# Altium PCB ANGE.PcbDoc
Units mil, origin at the board's own origin, x right, y up, seen from the top; angles counter-clockwise.
Board outline 10269.03 x 6377.03 mil, 2 copper layers (Component Side, Bottom Layer), stack 12.8 mil thick; 121 components, 162 nets, 532 pads, 0 vias.
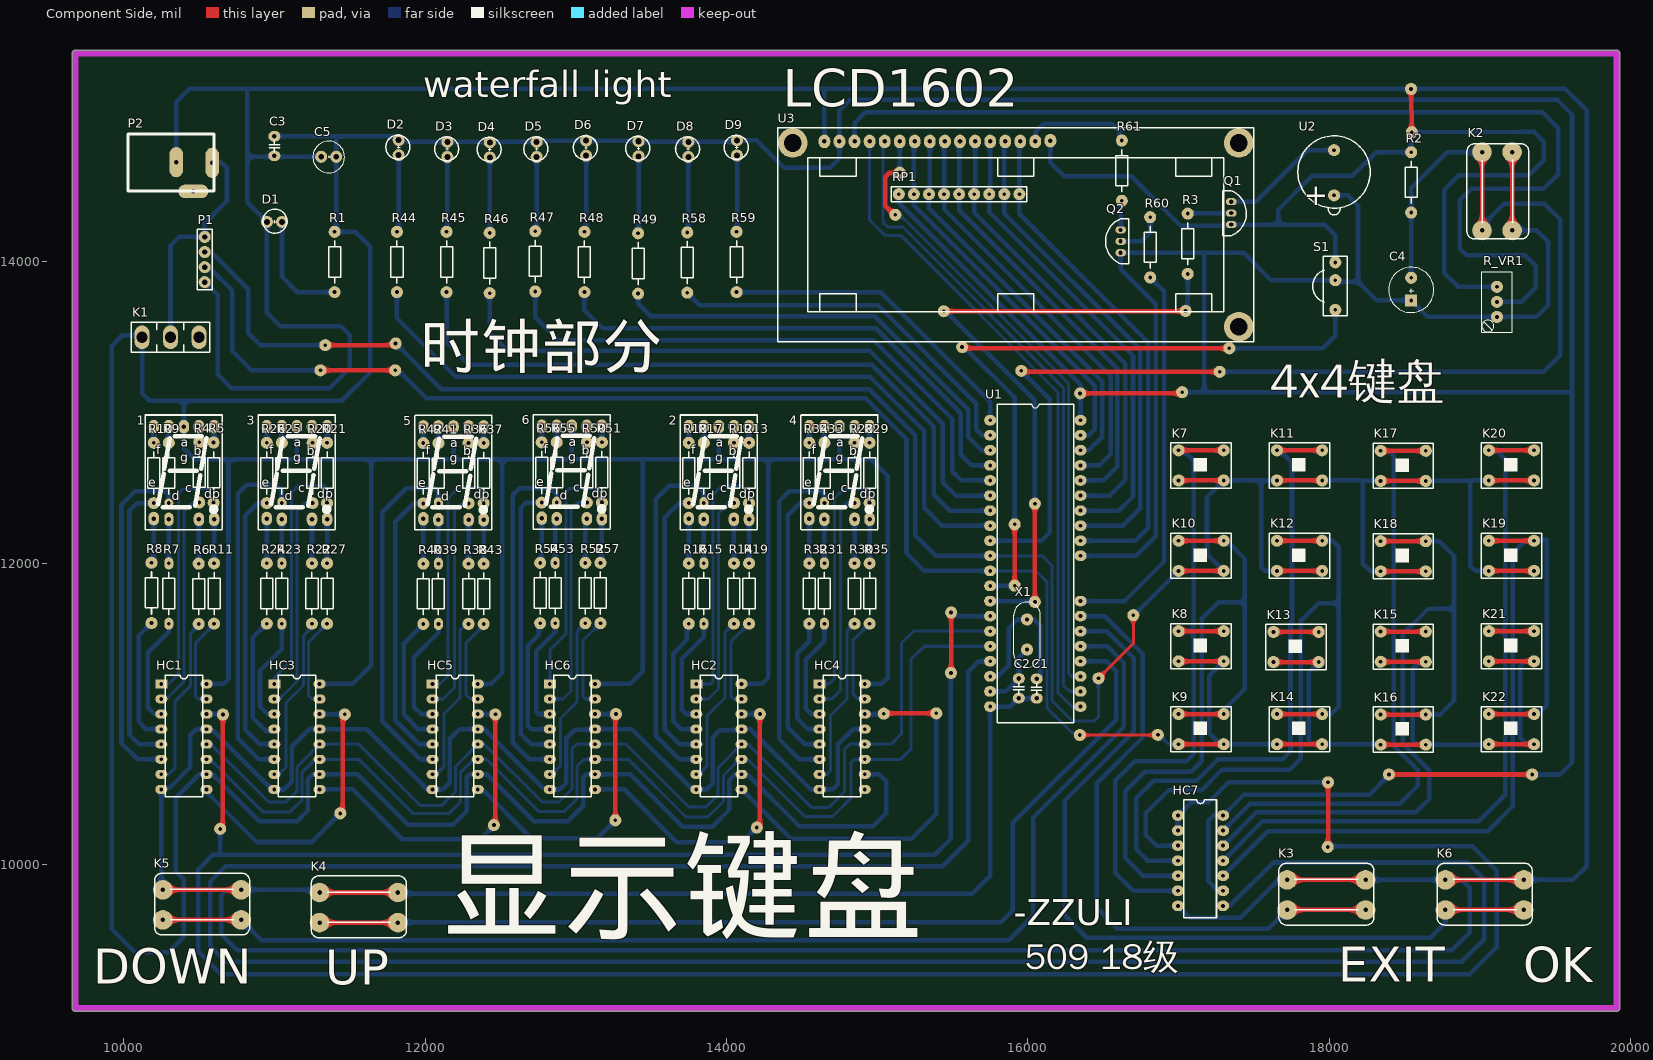
[diagram p0: Component Side view]
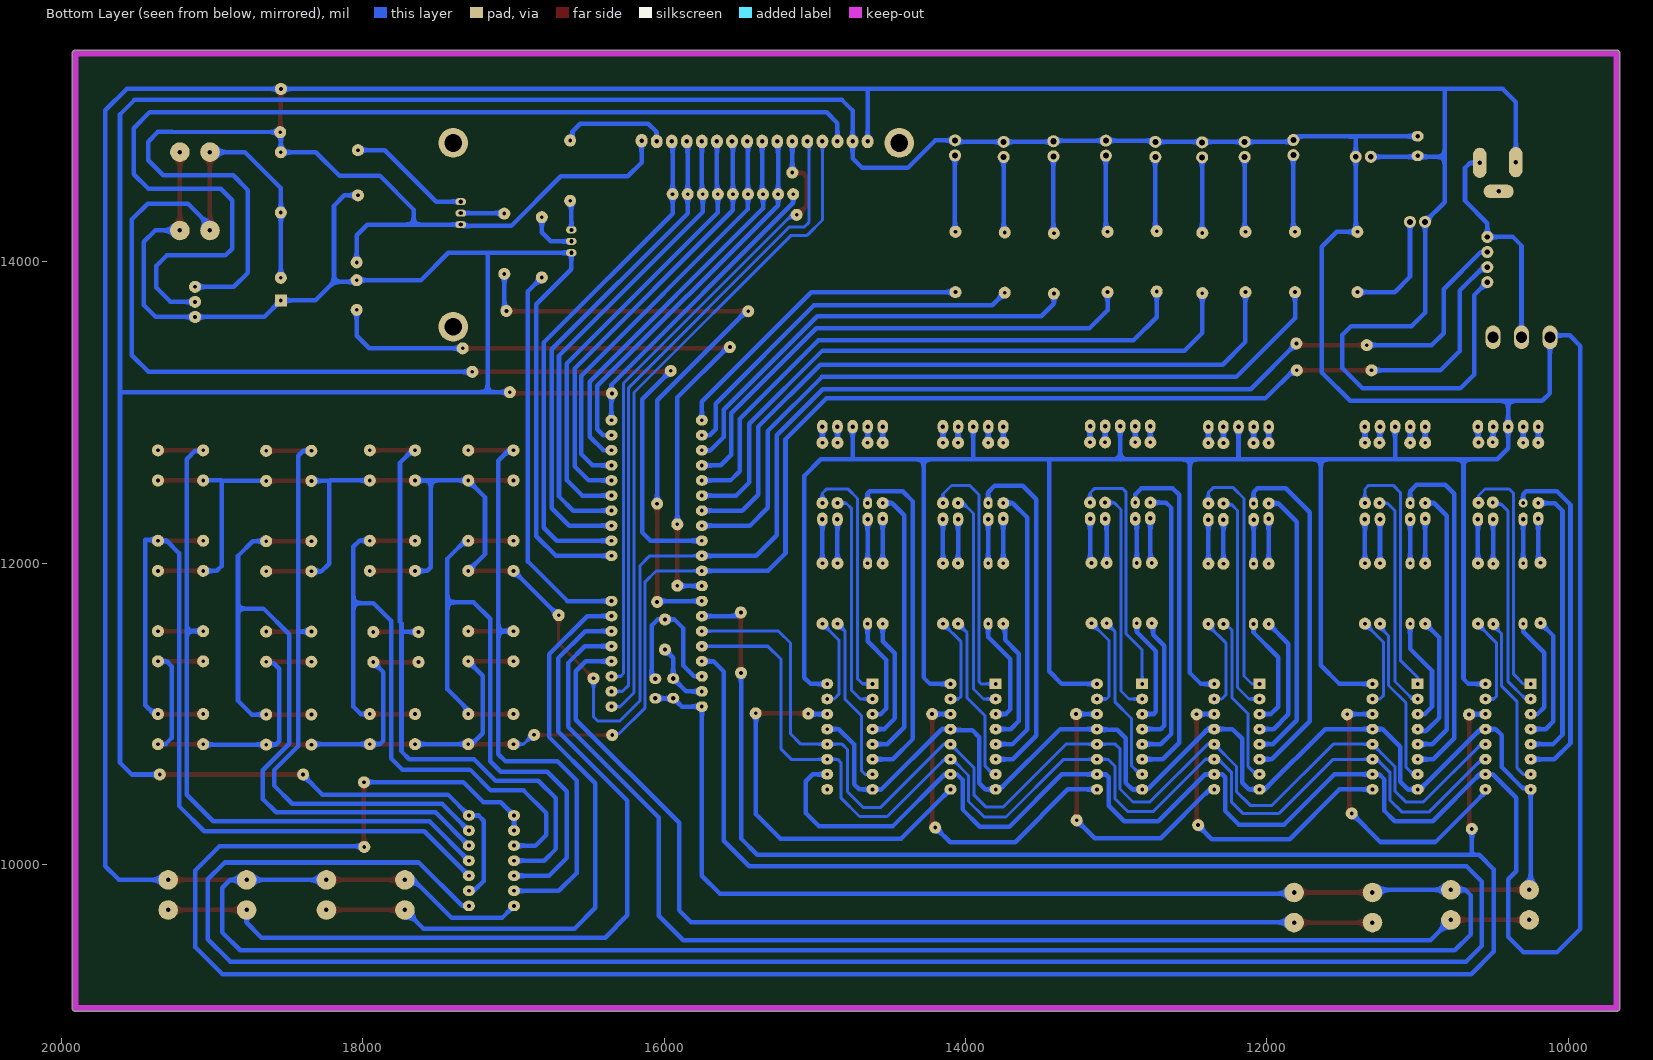
[diagram p1: Bottom Layer view, seen from below]
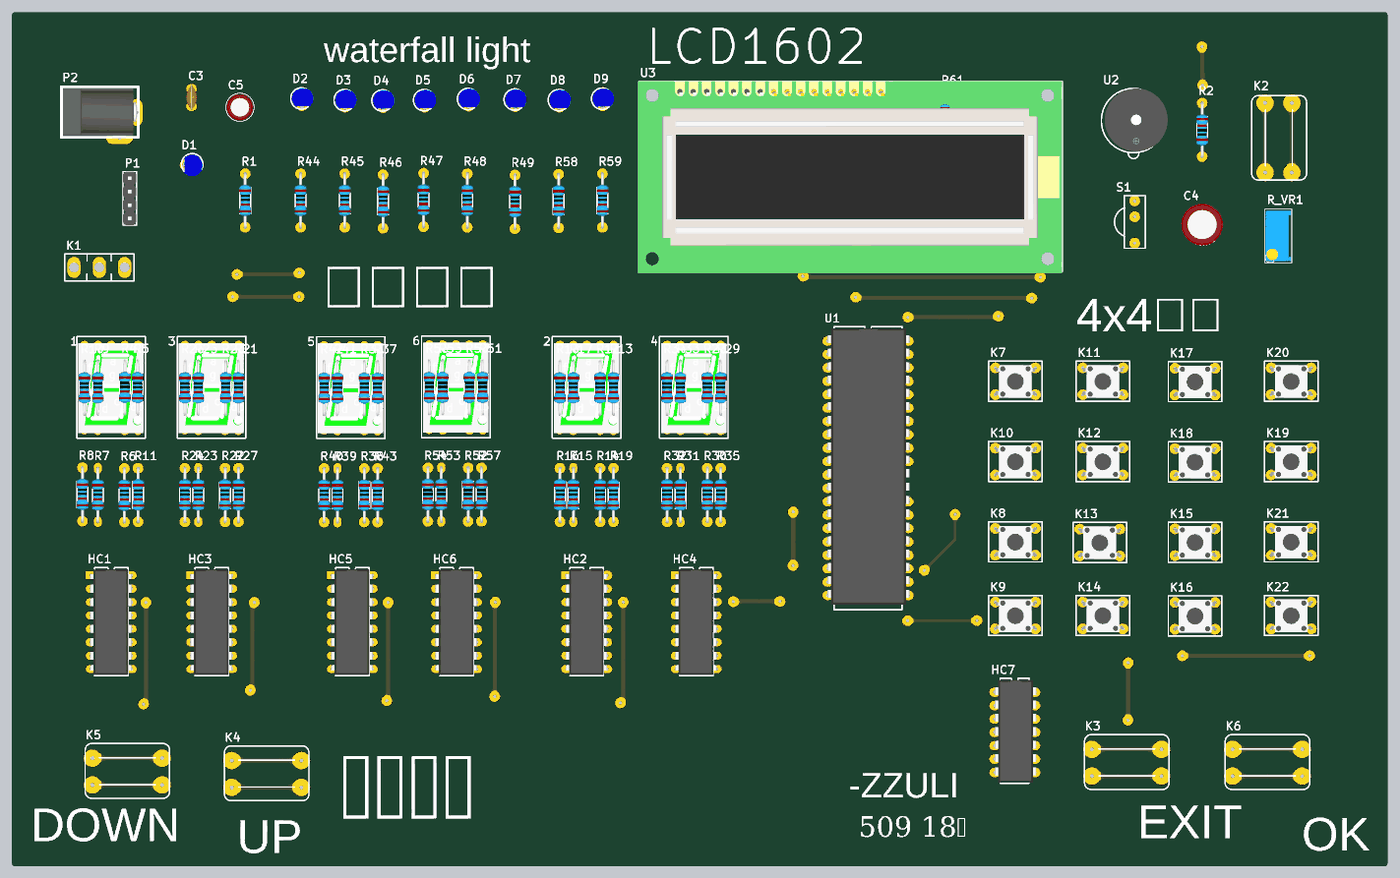
[diagram p2: 3D render of the assembled board from above, using the file's embedded part models]
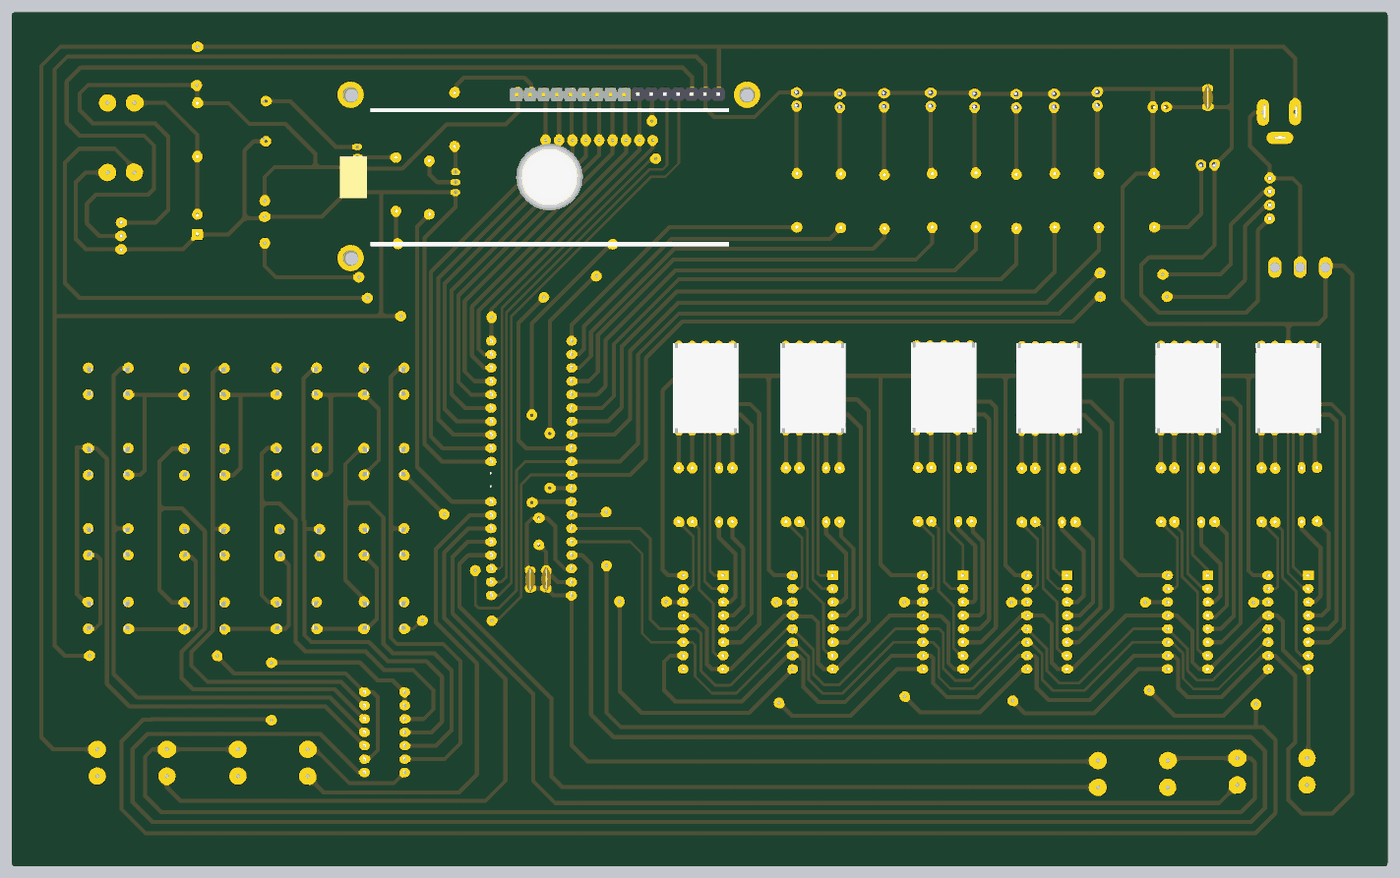
[diagram p3: 3D render of the assembled board from below, using the file's embedded part models]

## Layer stack, top to bottom
Top Solder: solder mask 0.4, Solder Resist, Dk 3.5
Component Side: signal copper 1.4
Dielectric 1: core 10, FR-4, Dk 4.2
Bottom Layer: signal copper 1.4
Solder Side: solder mask 0.4, Solder Resist, Dk 3.5

## Board outline
9658.99,9048 ccw(c9679,9048) 9679,9027.99 19908,9027.99 ccw(c19908,9048) 19928.01,9048 19928.01,15385 ccw(c19908,15385) 19908,15405.01 9679,15405.01 ccw(c9679,15385) 9658.99,15385

## Design rules (kind name [scope] priority, off if disabled: settings)
Clearance [All] p1: gap=10
PolygonConnect [All] p1: connectstyle=Relief reliefconductorwidth=10 reliefentries=4 polygonreliefangle="90 Angle" airgapwidth=10
RoutingVias [All] p1: holewidth=28 width=50 viastyle="Through Hole" minholewidth=28 minwidth=50 maxholewidth=28 maxwidth=50
SolderMaskExpansion [All] p1: expansion=4
Width [All] p1: maxlimit=30 minlimit=20 preferedwidth=30 minimp=50.000000 maximp=50.000000 favimp=50.000000
30 further rules are at their usual default settings.

## Classes and differential pairs
component class U1: HC1 HC2 HC3 HC4 HC5 HC6
component class U2: HC7

## Components (designator, comment, footprint, x,y, rotation, side; value= is the part's Value field where it differs from the comment)
1 "DPY_RED" 7SEG_8#1 10400,12600 r0 top
2 "DPY_RED" 7SEG_8#2 13950,12600 r0 top
3 "DPY_RED" 7SEG_8#2 11150,12600 r0 top
4 "DPY_RED" 7SEG_8#2 14750,12600 r0 top
5 "DPY_RED" 7SEG_8#2 12189,12598 r0 top
6 "DPY_RED" 7SEG_8#2 12974,12603 r0 top
C1 "CAP" Cap-Dip 16059,11234 r270 top
C2 "CAP" Cap-Dip 15940,11236 r270 top
C3 "CAP" Cap-Dip 11000,14834 r270 top
C4 "CAP_ELEC" CAP[25V] 18544,13745 r90 top
C5 "CAP_ELEC" CAP[16V] 11411,14698 r180 top
D1 "LED" LED 11051,14266 r180 top
D2 "LED" LED 11825,14809 r270 top
D3 "LED" LED 12148,14797 r270 top
D4 "LED" LED 12430,14794 r270 top
D5 "LED" LED 12741,14797 r270 top
D6 "LED" LED 13069,14805 r270 top
D7 "LED" LED 13417,14801 r270 top
D8 "LED" LED 13747,14797 r270 top
D9 "LED" LED 14070,14807 r270 top
HC1 "74HC595" DIP_16#1 10250,11200 r0 top
HC2 "74HC595" DIP_16#2 13800,11200 r0 top
HC3 "74HC595" DIP_16#1 11000,11200 r0 top
HC4 "74HC595" DIP_16#1 14618,11200 r0 top
HC5 "74HC595" DIP_16#1 12050,11200 r0 top
HC6 "74HC595" DIP_16#1 12828,11200 r0 top
HC7 "74HC164" DIP_14 16996,10327 r0 top
K1 "KEY_3" KEY_3 10500,13500 r180 top
K2 "BigButton" BigButton 19014,14209 r90 top
K3 "BigButton" BigButton 18241,9700 r180 top
K4 "BigButton" BigButton 11820,9616 r180 top
K5 "BigButton" BigButton 10780,9634 r180 top
K6 "BigButton" BigButton 19291,9700 r180 top
K7 "KEY_4" KEY_4 17300,12550 r180 top
K8 "KEY_4" KEY_4 17300,11350 r180 top
K9 "KEY_4" KEY_4 17300,10800 r180 top
K10 "KEY_4" KEY_4 17300,11950 r180 top
K11 "KEY_4" KEY_4 17953,12550 r180 top
K12 "KEY_4" KEY_4 17953,11950 r180 top
K13 "KEY_4" KEY_4 17930,11345 r180 top
K14 "KEY_4" KEY_4 17953,10800 r180 top
K15 "KEY_4" KEY_4 18641,11347 r180 top
K16 "KEY_4" KEY_4 18641,10797 r180 top
K17 "KEY_4" KEY_4 18641,12547 r180 top
K18 "KEY_4" KEY_4 18641,11947 r180 top
K19 "KEY_4" KEY_4 19359,11950 r180 top
K20 "KEY_4" KEY_4 19359,12550 r180 top
K21 "KEY_4" KEY_4 19359,11350 r180 top
K22 "KEY_4" KEY_4 19359,10800 r180 top
P1 "H1X4" H2.54_1X4 10538,14166 r270 top
P2 "DC接口" DC接口 10160,14945 r90 top
Q1 "9012/8550(PNP)" TO_92 17350,14400 r270 top
Q2 "9012/8550(PNP)" TO_92 16616,14061 r90 top
R1 "RES" RES_DIP#1 11400,13800 r90 top
R2 "RES" RES_DIP#1 18544,14728 r270 top
R3 "RES" RES_DIP#1 17061,13921 r90 top
R4 "RES" RES_DIP#1 10502,12404 r90 top
R5 "RES" RES_DIP#1 10597,12402 r90 top
R6 "RES" RES_DIP#1 10498,11598 r90 top
R7 "RES" RES_DIP#2 10300,11600 r90 top
R8 "RES" RES_DIP#1 10185,11604 r90 top
R9 "RES" RES_DIP#3 10300,12400 r90 top
R10 "RES" RES_DIP#1 10200,12400 r90 top
R11 "RES" RES_DIP#1 10600,11600 r90 top
R12 "RES" RES_DIP#1 14050,12400 r90 top
R13 "RES" RES_DIP#1 14150,12400 r90 top
R14 "RES" RES_DIP#1 14050,11600 r90 top
R15 "RES" RES_DIP#4 13850,11600 r90 top
R16 "RES" RES_DIP#1 13750,11600 r90 top
R17 "RES" RES_DIP#5 13850,12400 r90 top
R18 "RES" RES_DIP#1 13750,12400 r90 top
R19 "RES" RES_DIP#1 14150,11600 r90 top
R20 "RES" RES_DIP#1 11254,12400 r90 top
R21 "RES" RES_DIP#1 11350,12400 r90 top
R22 "RES" RES_DIP#1 11250,11600 r90 top
R23 "RES" RES_DIP#4 11050,11600 r90 top
R24 "RES" RES_DIP#1 10950,11600 r90 top
R25 "RES" RES_DIP#5 11050,12400 r90 top
R26 "RES" RES_DIP#1 10950,12400 r90 top
R27 "RES" RES_DIP#1 11350,11600 r90 top
R28 "RES" RES_DIP#1 14850,12400 r90 top
R29 "RES" RES_DIP#1 14950,12400 r90 top
R30 "RES" RES_DIP#1 14850,11600 r90 top
R31 "RES" RES_DIP#4 14650,11600 r90 top
R32 "RES" RES_DIP#1 14550,11600 r90 top
R33 "RES" RES_DIP#5 14650,12400 r90 top
R34 "RES" RES_DIP#1 14550,12400 r90 top
R35 "RES" RES_DIP#1 14950,11600 r90 top
R36 "RES" RES_DIP#1 12289,12398 r90 top
R37 "RES" RES_DIP#1 12389,12398 r90 top
R38 "RES" RES_DIP#1 12289,11598 r90 top
R39 "RES" RES_DIP#4 12089,11598 r90 top
R40 "RES" RES_DIP#1 11989,11598 r90 top
R41 "RES" RES_DIP#5 12089,12398 r90 top
R42 "RES" RES_DIP#1 11989,12398 r90 top
R43 "RES" RES_DIP#1 12389,11598 r90 top
R44 "RES" RES_DIP#1 11814,13800 r90 top
R45 "RES" RES_DIP#1 12143,13800 r90 top
R46 "RES" RES_DIP#1 12429,13793 r90 top
R47 "RES" RES_DIP#1 12732,13804 r90 top
R48 "RES" RES_DIP#1 13058,13800 r90 top
R49 "RES" RES_DIP#1 13414,13790 r90 top
R50 "RES" RES_DIP#1 13074,12403 r90 top
R51 "RES" RES_DIP#1 13174,12403 r90 top
R52 "RES" RES_DIP#1 13064,11603 r90 top
R53 "RES" RES_DIP#4 12864,11603 r90 top
R54 "RES" RES_DIP#1 12764,11603 r90 top
R55 "RES" RES_DIP#5 12874,12403 r90 top
R56 "RES" RES_DIP#1 12774,12403 r90 top
R57 "RES" RES_DIP#1 13164,11603 r90 top
R58 "RES" RES_DIP#1 13740,13796 r90 top
R59 "RES" RES_DIP#1 14067,13800 r90 top
R60 "RES" RES_DIP#1 16812,13897 r90 top
R61 "RES" RES_DIP#1 16624,14806 r270 top
R_VR1 "RES_VR" RES_VR3296W 19113,13735 r90 top
RP1 "RES_PACK" RES_PACK 15544,14450 r0 top
S1 "SM0038" SM0038 18080,13879 r270 top
U1 "STC89C51" DIP_40 15750,12950 r0 top locked
U2 "BEEP" BEEP 18032,14442 r180 top
U3 "LCD1602" LCD1602 14650,14800 r0 top locked
X1 "XTAL" XTAL_DIP 15995,11628 r270 top

## Footprints (in the part's own frame and the unit in brackets; to place one, negate y for a bottom-side part, rotate by r counter-clockwise, add the part's x,y. Pads: shape width x height; smd on the part's side, far side on the other; paste and mask are expansions set on the pad)
7SEG_8#1 [mil]
  oval 70x90 hole 30: 1(-200,307.5) 2(-100,307.5) 3(0,307.5) 4(100,307.5) 5(200,307.5) 6(-200,-302.5) 9(100,-307.5) 10(200,-307.5)
  oval 60x90 hole 30: 7(-100,-307.5)
  silkscreen extent -257,-376 255,384, body extent -246,-337 242,336
7SEG_8#2 [mil]
  oval 70x90 hole 30: 1(-200,307.5) 2(-100,307.5) 3(0,307.5) 4(100,307.5) 5(200,307.5) 6(-200,-302.5) 7(-100,-307.5) 9(100,-307.5) 10(200,-307.5)
  silkscreen extent -257,-376 255,384, body extent -246,-337 242,336
BEEP [mil]
  round 80 hole 25: 1(0,0) 2(0,-300)
  silkscreen extent -240,-395 240,130, body extent -256,-396 216,76, height 354
BigButton [mil]
  round 130 hole 30: 1(0,0) 1(520,0) 2(0,-200) 2(520,-200)
  silkscreen extent -56,-310 575,100
Cap-Dip [mil]
  oval 70x80 hole 30: 1(0,0) 2(130,0)
  silkscreen extent 30,-35 105,35, body extent -32,-39 162,39, height 97
CAP[16V] [mil]
  round 80 hole 35.43: 1(0,0) 2(100,0)
  silkscreen extent -55,-103 155,107, body extent -48,-97 148,100, height 433
CAP[25V] [mil]
  rect 80x80 hole 25: 1(0,0)
  round 80 hole 25: 2(150,0)
  silkscreen extent -80,-150 220,150, body extent -82,-157 232,157, height 472
DC接口 [mil]
  oval 200x90 hole 30: 1(-287,-428) 3(-283,-189)
  oval 90x200 hole 30: 2(-477,-303)
  silkscreen extent -473,-441 -95,132, body extent -484,-433 -106,122, height 477
DIP_14 [mil]
  oval 80x70 hole 25: 1(0,0) 2(0,-100) 3(0,-200) 4(0,-300) 5(0,-400) 6(0,-500) 7(0,-600) 8(300,-600) 9(300,-500) 10(300,-400) 11(300,-300) 12(300,-200) 13(300,-100) 14(300,0)
  silkscreen extent 40,-680 256,104, body extent 0,-676 310,92, height 200
DIP_16#1 [mil]
  rect 80x60 / inner rect 100x50 / far side rect 80x70 hole 25: 1(0,0)
  oval 80x60 / inner oval 100x50 / far side oval 80x70 hole 25: 2(0,-100) 3(0,-200) 4(0,-300) 5(0,-400) 6(0,-500) 7(0,-600) 8(0,-700) 9(300,-700) 10(300,-600) 11(300,-500) 12(300,-400) 13(300,-300) 14(300,-200) 15(300,-100) 16(300,0)
  silkscreen extent 25,-750 275,58, body extent -8,-744 302,44, height 200
DIP_16#2 [mil]
  rect 80x60 / inner rect 100x50 / far side rect 80x70 hole 25: 1(0,0)
  oval 80x60 / inner oval 100x50 / far side oval 80x70 hole 25: 2(0,-100) 3(0,-200) 4(0,-300) 5(0,-400) 6(0,-500) 7(0,-600) 8(0,-700) 9(300,-700) 10(300,-600) 11(300,-500) 12(300,-400) 13(300,-300) 14(300,-200) 15(300,-100)
  oval 80x70 hole 25: 16(300,0)
  silkscreen extent 25,-750 275,58, body extent -8,-744 302,44, height 200
DIP_40 [mil]
  oval 80x70 hole 25: 1(0,0) 2(0,-100) 3(0,-200) 4(0,-300) 5(0,-400) 6(0,-500) 7(0,-600) 8(0,-700) 9(0,-800) 10(0,-900) 11(0,-1000) 12(0,-1100) 13(0,-1200) 14(0,-1300) 15(0,-1400) 16(0,-1500) 17(0,-1600) 18(0,-1700) 19(0,-1800) 20(0,-1900) 21(600,-1900) 22(600,-1800) 23(600,-1700) 24(600,-1600) 25(600,-1500) 26(600,-1400) 27(600,-1300) 28(600,-1200) 31(600,-900) 32(600,-800) 33(600,-700) 34(600,-600) 35(600,-500) 36(600,-400) 37(600,-300) 38(600,-200) 39(600,-100) 40(600,0)
  silkscreen extent 46,-2007 554,107, body extent -2,-1969 608,95, height 224
H2.54_1X4 [mil]
  round 80 hole 35.43: 1(0,0) 2(100,0) 3(200,0) 4(300,0)
  silkscreen extent -50,-50 350,50, body extent -50,-50 350,50, height 336
KEY_3 [mm]
  oval 2.5x4 hole 1.905: 1(0,0) 2(4.8,0) 3(9.6,0)
  silkscreen extent -1.8,-2.54 11.4,2.54
KEY_4 [mil]
  round 80 hole 25: 1(0,0) 2(300,0) 3(300,-200) 4(0,-200)
  silkscreen extent -50,-250 350,50, body extent -6,-220 306,24, height 207
LCD1602 [mil]
  round 196.85 hole 118.11: 0(-210,-10) 0(2750,-1230) 0(2750,-10)
  oval 78x90 hole 30: 1(0,0) 2(100,0) 3(200,0) 4(300,0) 5(400,0) 6(500,0) 7(600,0) 8(700,0) 9(800,0) 10(900,0) 11(1000,0) 12(1100,0) 13(1200,0) 14(1300,0) 15(1400,0) 16(1500,5)
  silkscreen extent -310,-1330 2850,90, body extent -320,-1344 2850,94, height 414
LED [mil]
  round 80 hole 40: 1(0,0) 2(100,0)
  silkscreen extent -33,-85 127,75, body extent -32,-74 107,84, height 205
RES_DIP#1 [mil]
  round 80 hole 25: 1(0,0) 2(400,0)
  silkscreen extent 60,-40 340,40, body extent -10,-44 412,44, height 94
RES_DIP#2 [mil]
  oval 80x60 hole 25: 1(0,0)
  oval 82x60 hole 25: 2(400,0)
  silkscreen extent 60,-40 340,40, body extent -10,-44 412,44, height 94
RES_DIP#3 [mil]
  round 60 hole 25: 1(0,0)
  round 80 hole 25: 2(400,0)
  silkscreen extent 60,-40 340,40, body extent -10,-44 412,44, height 94
RES_DIP#4 [mil]
  oval 80x60 hole 25: 1(0,0) 2(400,0)
  silkscreen extent 60,-40 340,40, body extent -10,-44 412,44, height 94
RES_DIP#5 [mil]
  oval 80x60 hole 25: 1(0,0)
  round 80 hole 25: 2(400,0)
  silkscreen extent 60,-40 340,40, body extent -10,-44 412,44, height 94
RES_PACK [mil]
  round 80 hole 25: 1(-400,0) 2(-300,0) 3(-200,0) 4(-100,0) 5(0,0) 6(100,0) 7(200,0) 8(300,0) 9(400,0)
  silkscreen extent -450,-50 450,50, body extent -443,-25 443,24, height 209
RES_VR3296W [mil]
  round 80 hole 25: 1(-100,0) 2(0,0) 3(100,0)
  silkscreen extent -200,-100 200,100, body extent -188,-95 188,95, height 455
SM0038 [mil] "红外"
  round 80 hole 25: 1(-118.11,-39.37) 2(0,-39.37) 3(196.85,-39.37)
  silkscreen extent -157,-190 236,39
TO_92 [mm]
  oval 1.2x1.8 hole 0.7: 1(0,0) 2(1.93,0) 3(3.861,0)
  silkscreen extent -1.88,-1.4 5.74,2.54, body extent -1.88,-1.44 5.74,2.5, height 6.16
XTAL_DIP [mil]
  round 80 hole 25: 1(0,0) 2(200,0)
  silkscreen extent -115,-89 318,89, body extent -123,-90 323,93, height 218

## Part data
K1: "乒乓开关"
P2: "电源接口"
Q1 Q2: "PNP"
R_VR1: "滑动变阻器"

## Free pads (board coordinates)
  round 80 hole 25: 2(15121,14313) 3(15150,14593) 12(16345,10861) 13(16863,10862) 14(16700,11656) 15(16469,11237) 16(16347,13128) 17(17024,13136) 18(10659,10997) 20(15491,11674) 21(15490,11273) 22(11468,10998) 24(12467,10998) 26(13267,11000) 28(14222,11000) 30(15044,11002.59) 38(11338,13448) 39(11306,13281) 40(11805,13459) 41(11802,13281) 43(15913,11852) 44(16047,11744) 46(15913,12259) 47(16047,12396) 48(17273,13271) 49(17337,13427) 52(15564,13435) 53(15956.5,13277.5) 54(17047,13675) 55(15442,13673) 65(18543,15148) 66(18548,14861) 67(17992,10547) 68(17990,10118) 69(18396,10599) 70(19347,10599) 71(10641,10238) 72(11438,10341) 73(12457,10263) 74(13263,10295) 75(14202,10247) 76(15393,11005)
